# Altium PCB openmv2025-final.PcbDoc (part 2 of 2)
Units mm, origin at the board's own origin, x right, y up, seen from the top; angles counter-clockwise.
Board outline 130 x 110.34 mm, 2 copper layers (Top Layer, Bottom Layer); 110 components, 172 nets, 438 pads, 181 vias.
Unrouted connection lines stored in the file: 1.
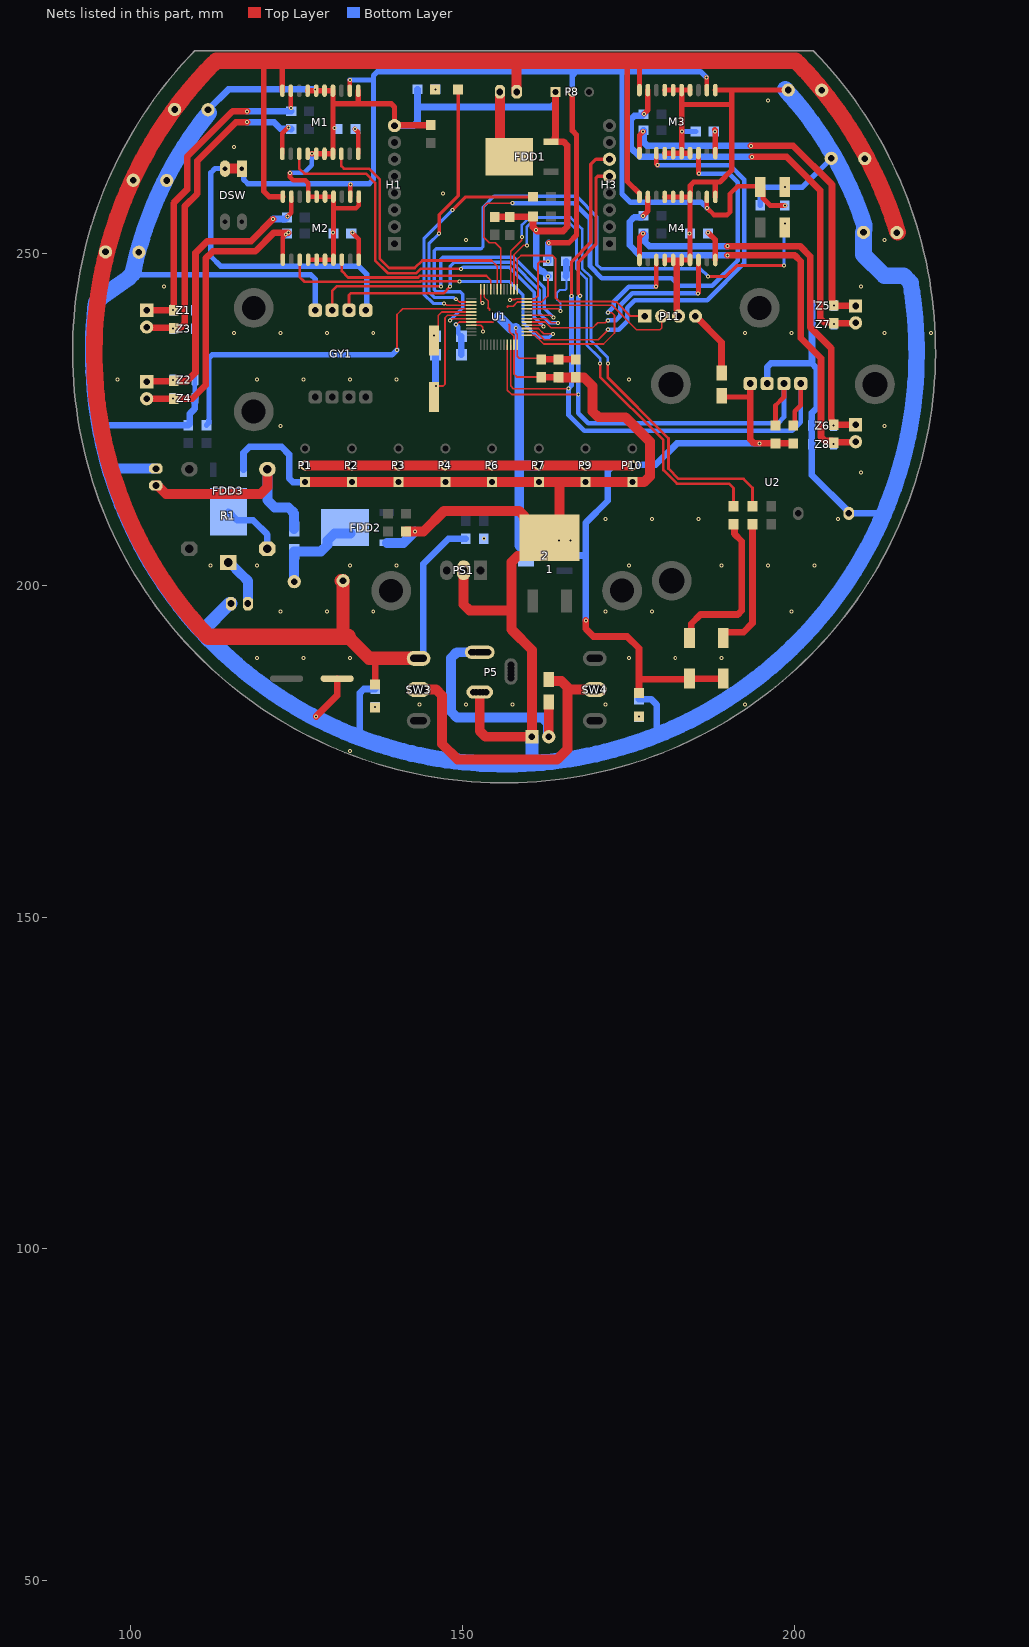
[diagram p2: the nets of this part, all layers, seen from the top]

## Via types
v1: diameter 0.6, hole 0.3, Top Layer to Bottom Layer, tented both sides, 127 vias
v2: diameter 0.6, hole 0.3, Top Layer to Bottom Layer, 54 vias

## Nets (pads, with @x,y where several pads share a name; then routed paths per layer and width w, separated by ;. In a path a pad name is that pad's centre, name@x,y a point inside that pad or via, vN(x,y) a via of type N, cw(c..) or ccw(c..) an arc to the next point about the centre after c; other vN are vias at no path point) (continued)
GND: 1.4 2.1 b1.2 C1.- C2.- C9.1 C10.1 C11.1 C12.2 C14.1 C15.1 C16.1 C21.- C24.- C25.2 C26.2 C27.- C28.- C29.1 C30.1 CAP1.2 FDD1.3 FDD2.3 FDD3.3 GY1.4 H1.8 H2.1 M1.1 M1.4 M1.5 M1.6 M1.7 M1.14 M1.15 M1.16 M1.17 M2.1 M2.4 M2.5 M2.6 M2.7 M2.14 M2.15 M2.16 M2.17 M3.1 M3.4 M3.5 M3.6 M3.7 M3.14 M3.15 M3.16 M3.17 M4.1 M4.4 M4.5 M4.6 M4.7 M4.14 M4.15 M4.16 M4.17 P1.1 P2.1 P3.1 P4.1 P5.2 P6.1 P7.1 P8.1 P9.1 P10.1 P11.3 PS1.2 R1.1@143.176,274.701 R1.1@154.813,255.477 R1.1@157.066,255.455 R1.2@153.155,206.998 R1.2@162.839,246.54 R2.1 R4.1 R7.2 R13.1 R14.1 R15.1 SHOOT1.1 SW2.2 U1.8 U1.23 U1.35 U1.47 U2.1 Z1.1 Z2.1 Z3.1 Z4.1 Z5.1 Z6.1 Z7.1 Z8.1 | length 936.7
  Top Layer w0.25: v1(148.971,239.268) 149.052,239.268 149.445,239.661 U1.8@151.268,239.661 154.547,239.661 154.559,239.649 ; U1.47@153.198,244.591 153.198,243.423 153.82,242.801 153.82,241.785 ; 156.822,242.039 157.584,242.039 158.206,242.661 161.889,242.661 162.818,243.59 ; 157.02,239.22 157.02,238.204 157.698,237.526 157.698,231.811 158.115,231.394
  Top Layer w0.3: 153.82,241.785 154.051,241.554 154.051,241.427 ; 156.718,241.935 156.822,242.039 ; 156.972,239.268 157.02,239.22 ; 158.115,231.394 161.718,231.394 C14.1@161.798,231.314 ; 162.818,243.59 v1(162.818,246.519)
  Top Layer w0.7: v1(123.952,262.128) 123.952,261.493 124.46,260.985 126.284,260.985 126.694,260.575 M2.7@126.694,258.539 M2.6@127.964,258.539 M2.5@129.234,258.539 M2.4@130.504,258.539 130.504,256.794 ; M2.14@126.694,249.039 M2.15@127.964,249.039 M2.16@129.234,249.039 M2.17@130.504,249.039 130.504,256.794 ; M2.1@134.314,258.539 134.314,257.204 133.904,256.794 130.504,256.794
  Top Layer w0.8: M1.7@126.619,274.498 M1.6@127.889,274.498 M1.5@129.159,274.498 M1.4@130.429,274.498 130.429,272.542 ; v1@127.254,264.998 M1.15@127.889,264.998 M1.16@129.159,264.998 M1.17@130.429,264.998 130.429,272.542 ; M1.1@134.239,274.498 134.239,272.542 ; H1.8@139.7,269.24 139.7,272.034 139.192,272.542 134.239,272.542 ; M4.14@180.415,248.996 M4.15@181.685,248.996 M4.16@182.955,248.996 M4.17@184.225,248.996 M4.4@184.225,258.496 ; M4.7@180.415,258.496 M4.6@181.685,258.496 M4.5@182.955,258.496 M4.4@184.225,258.496 ; M3.14@180.415,265.094 M3.15@181.685,265.094 M3.16@182.955,265.094 ; M3.7@180.415,274.594 M3.6@181.685,274.594 M3.5@182.955,274.594 ; v1@182.955,268.403 182.955,272.415 ; v1(183.007,268.351) 182.955,268.299 M3.16@182.955,265.094 ; M3.17@184.225,265.094 M3.16@182.955,265.094 ; M3.4@184.225,274.594 M3.5@182.955,274.594 ; M4.1@188.035,258.496 188.035,260.731 ; M3.1@188.035,274.594 190.5,274.594 ; C28.-@199.032,274.594 190.5,274.594 ; 130.429,272.542 134.239,272.542 ; 182.955,272.415 M3.5@182.955,274.594 ; 182.955,272.415 190.5,272.415 ; M4.4@184.225,258.496 184.275,258.546 184.275,260.221 184.785,260.731 188.035,260.731 ; 188.035,260.731 188.722,260.731 190.5,262.509 190.5,272.415 ; 190.5,272.415 190.5,274.594
  Top Layer w1: v1(127.889,180.213) 131.064,183.388 C12.2@131.064,185.928 ; H1.8@139.7,269.24 139.74,269.28 145.121,269.28 C11.1@145.161,269.32 ; R1.1@154.813,255.477 154.843,255.507 160.545,255.507 R7.2@160.575,255.536 160.575,253.951 161.161,253.365 165.1,253.365 165.735,254 165.735,266.235 165.149,266.821 FDD1.3@163.875,266.821 ; 157.226,198.247 157.353,198.374 ; C14.1@161.798,231.314 C29.1@164.401,231.314 ; FDD1.3@163.275,266.821 FDD1.3@163.875,266.821 ; P8.1@163.957,274.32 163.957,267.503 163.875,267.421 FDD1.3@163.875,266.821 ; P11.3@182.499,240.538 182.308,240.729 182.308,241.436 182.245,241.499 182.245,248.286 M4.16@182.955,248.996
  Top Layer w1.5: P1.1@126.238,215.519 P2.1@133.279,215.519 P3.1@140.321,215.519 P4.1@147.362,215.519 P6.1@154.404,215.519 P7.1@161.445,215.519 164.55,215.519 ; R4.1@141.431,208.085 v1(142.754,208.085) 144.077,208.085 147.193,211.201 158.439,211.201 159.318,210.322 159.318,209.887 162.068,207.137 1.4@163.068,207.137 ; PS1.2@150.114,202.247 150.114,197.094 150.993,196.215 157.353,196.215 ; P5.2@153.543,183.896 P5.2@152.543,183.896 152.543,178.044 153.422,177.165 H2.1@160.401,177.165 160.401,190.246 157.353,193.294 157.353,196.215 ; C29.1@164.401,231.314 C30.1@167.005,231.314 167.03,231.289 168.253,231.289 169.545,229.997 169.545,226.177 170.424,225.298 174.498,225.298 178.181,221.615 178.181,216.398 177.302,215.519 P10.1@175.528,215.519 P9.1@168.487,215.519 164.55,215.519 ; 157.353,196.215 157.353,198.374 157.353,203.508 158.232,204.387 160.318,204.387 1.4@163.068,207.137 ; 1.4@163.068,207.137 164.55,208.619 164.55,215.519
  Bottom Layer w0.7: Z3.1@109.6,238.638 Z1.1@109.6,241.427 ; Z3.1@109.622,238.638 109.622,228.171 Z4.1@109.643,228.149 ; v1(123.952,262.128) 126.111,262.128 127.254,263.271 v1(127.254,265.049) ; v1(148.971,239.268) 149.303,238.936 149.303,237.965 C26.2@149.778,237.49 ; H2.1@160.401,177.165 H2.1@160.586,176.98
  Bottom Layer w0.8: 100.417,247.639 101.295,246.761 127.127,246.761 127.762,246.126 GY1.4@127.762,241.427 ; v1(183.007,268.351) C15.1@185.086,268.351 ; R15.1@194.818,257.255 194.818,259.5 195.287,259.969 v1(198.501,259.969) 201.171,259.969 C21.-@205.509,264.307
  Bottom Layer w1: 95.266,224.135 95.294,224.108 R2.1@108.653,224.108 108.878,224.333 108.878,225.845 109.593,226.56 109.593,228.099 Z4.1@109.643,228.149 ; C27.-@111.61,271.633 114.678,274.701 v1(127.762,274.701) ; FDD3.3@116.961,217.379 116.961,219.958 117.85,220.847 122.688,220.847 123.825,219.71 123.825,216.105 124.411,215.519 P1.1@126.238,215.519 ; 134.677,176.937 134.493,177.121 134.493,183.771 135.079,184.357 R14.1@136.779,184.357 ; H1.8@139.7,269.24 142.621,269.24 143.176,269.795 143.176,272.248 ; R1.1@143.176,274.701 143.176,272.248 ; C25.2@149.778,234.696 C26.2@149.778,237.49 ; v1(161.036,253.492) 161.036,248.057 161.775,247.318 162.01,247.318 162.564,246.765 162.572,246.765 v1(162.818,246.519) ; P8.1@163.957,274.32 163.957,272.62 163.371,272.034 143.39,272.034 143.176,272.248 ; R13.1@176.53,182.833 178.355,182.833 179.185,182.003 179.185,177.383 ; U2.1@195.834,230.378 195.834,232.84 196.42,233.426 202.565,233.426 ; Z5.1@202.609,242.114 Z7.1@202.609,239.325 202.609,233.47 202.565,233.426 ; 213.5,210.941 213.379,210.82 b1.2@208.153,210.82 208.153,211.02 202.566,216.607 Z8.1@202.566,221.239 Z6.1@202.566,224.028 202.566,225.934 203.327,226.695 203.327,232.664 202.565,233.426
  Bottom Layer w1.5: 96.828,217.529 96.85,217.551 CAP1.2@103.759,217.551 ; FDD2.3@138.557,206.387 141.056,206.387 v1(142.754,208.085)
  Bottom Layer w2: 110.783,192.959 110.783,193.174 114.84,197.231 SHOOT1.1@115.062,197.231 ; H2.1@160.401,177.165 160.401,173.436 160.658,173.179
  Bottom Layer w2.5: 99.743,246.406 99.59,246.254 95.699,243.517 ccw(c97.135,241.47) 95.696,243.514 95.52,243.391 95.368,243.238 94.751,242.622 ccw(c156.351,235.088) 94.65,241.738 ccw(c156.351,235.088) 134.677,176.937 ccw(c156.351,235.088) 160.658,173.179 ccw(c156.351,235.088) 179.185,177.383 ccw(c156.351,235.088) 192.057,184.33 ccw(c156.419,234.991) 217.447,245.583 ; 99.743,246.406 100.266,246.93 cw(c155.77,235.517) 100.417,247.639 cw(c155.77,235.517) C27.-@111.743,271.189 ; C28.-@198.544,274.688 cw(c157.99,237.325) 210.463,254.273 210.463,253.875 210.463,253.548 210.379,253.232 C24.-@210.357,253.151 210.357,249.764 213.487,246.634 216.408,246.634 217.17,245.872
  other v1: 164.465,206.756 166.243,206.756 153.155,206.998 184.15,252.984 130.429,253.111 130.683,268.859
  other v2: 133,175 143.5,182 150.5,182 157.5,182 171.5,182 192.5,182 119,189 126,189 133,189 175,189 182,189 189,189 122.5,196 129.5,196 136.5,196 171.5,196 178.5,196 199.5,196 112,203 119,203 133,203 140,203 175,203 189,203 196,203 203,203 171.5,210 178.5,210 185.5,210 206.5,210 210,217 122.5,224 213.5,224 98,231 119,231 126,231 133,231 140,231 175,231 115.5,238 122.5,238 129.5,238 136.5,238 192.5,238 199.5,238 213.5,238 220.5,238 105,245 210,245 150.5,252 213.5,252 147,259 115.5,266 196,273
I2C_SCL: 
I2C_SDA: 
ID: R1.1@165.539,246.54 R1.1@165.561,248.793 U1.33 | length 14.1
  Top Layer w0.25: U1.33@159.628,241.661 164.398,241.661 164.677,241.382 v1(164.677,241.3)
  Bottom Layer w0.3: v1(164.677,241.3) 164.719,241.342 164.719,242.484 164.211,242.992 164.211,244.094 164.592,244.475 165.432,244.475 165.608,244.651 165.608,246.47 R1.1@165.539,246.54
  Bottom Layer w1: R1.1@165.539,246.54 165.55,246.551 165.55,248.782 R1.1@165.561,248.793
INA1: M1.13 U1.28 | length 61.3
  Top Layer w0.25: U1.28@159.628,239.161 161.866,239.161 162.049,238.978 v1(162.143,238.978)
  Top Layer w0.4: M1.13@125.349,264.998 125.349,262.763 126.111,262.001 135.382,262.001 136.779,260.604 136.779,248.92 138.684,247.015 143.002,247.015 143.637,247.65 v1(149.733,247.65)
  Bottom Layer w0.5: v1(149.733,247.65) 149.76,247.65 150.014,247.904 157.027,247.904 160.774,244.157 160.774,240.348 v1(162.143,238.978)
INA2: M2.13 U1.27 | length 51.5
  Top Layer w0.25: U1.27@159.628,238.661 161.389,238.661 162.179,237.871 v1(163.576,237.871)
  Top Layer w0.4: M2.13@125.424,249.039 125.424,246.432 126.141,245.715 143.54,245.715 143.604,245.779 149.445,245.779 v1(149.479,245.745)
  Bottom Layer w0.5: v1(149.479,245.745) 157.064,245.745 159.05,243.759 159.05,239.603 161.29,237.363 163.041,237.363 163.549,237.871 v1(163.576,237.871)
INA3: M3.13 U1.26 | length 67.7
  Top Layer w0.25: U1.26@159.628,238.161 161.065,238.161 162.244,236.982 170.391,236.982 171.683,238.274 171.683,238.275 171.833,238.425 v1(171.833,238.506)
  Top Layer w0.7: M3.13@179.145,265.094 179.145,263.45 v1(179.324,263.271)
  Bottom Layer w0.7: v1(171.833,238.506) 173.482,238.506 174.752,239.776 174.752,241.808 175.895,242.951 186.814,242.951 192.405,248.542 192.405,261.112 190.246,263.271 v1(179.324,263.271)
INA4: M4.13 U1.25 | length 31.7
  Top Layer w0.25: U1.25@159.628,237.661 160.858,237.661 162.172,236.347 171.196,236.347 172.847,237.998 172.847,240.665 172.466,241.046 v1(171.831,241.046)
  Top Layer w0.3: M4.13@179.145,248.996 M4.13@179.171,248.97
  Top Layer w0.7: v1(179.07,244.983) 179.145,245.058 M4.13@179.145,248.97
  Bottom Layer w0.7: v1(171.831,241.046) 172.72,241.935 172.72,242.697 175.006,244.983 v1(179.07,244.983)
INA_1: 
INA_2: 
INA_3: 
INA_4: 
INB1: 
INB2: 
INB3: 
INB4: 
INB_1: 
INB_2: 
INB_3: 
INB_4: 
Inductor: D5.1 FDD2.4 L1.1 | length 14.6
  Bottom Layer w1.5: L1.1@124.587,200.533 D5.1@124.587,205.056 128.602,205.056 129.611,206.065 129.611,206.738 130.645,207.772 FDD2.4@133.096,207.772
LED1: D1.2@136.779,181.539 R14.2
  other v1: 136.779,181.657
LED2: D3.2 R13.2
  other v1: 176.53,180.241
LED3: D1.1@149.287,274.706 U1.2 | length 39.3
  Top Layer w0.25: v1(148.971,243.078) 149.052,243.078 149.469,242.661 U1.2@151.268,242.661
  Top Layer w0.5: v1(146.431,252.984) 146.431,255.835 149.287,258.691 D1.1@149.287,274.706
  Bottom Layer w0.5: v1(146.431,252.984) 144.895,251.448 144.895,244.203 145.766,243.332 148.645,243.332 148.899,243.078 v1(148.971,243.078)
LED3_RES: D1.2@145.787,274.706 R1.2@145.876,274.701
  other v1: 145.876,274.701
LED4: 
LED5: 
M1: FDD1.4 MOTOR1.2 | length 10.4
  Top Layer w1.5: MOTOR1.2@155.575,274.32 155.575,265.941 FDD1.4@156.975,264.541
MA1: 
MA2: 
MA3: 
MA4: 
MB1: 
MB2: 
MB3: 
MB4: 
"MODE MA +": 
"MODE MA -": 
MOTOR: 
MOTORS_EN: 
NetD5_1: D4.1 P11.4 | length 10.2
  Top Layer w1: P11.4@185.039,240.538 188.976,236.601 D4.1@188.976,231.951
NRST: R16.2 SW2.1 U1.7 | length 94.4
  Top Layer w0.25: v1(148.082,239.903) 148.163,239.903 148.421,240.161 U1.7@151.268,240.161
  Top Layer w0.5: v1(186.944,246.507) 189.611,246.507 191.262,248.158 v1(198.374,248.158)
  Bottom Layer w0.5: v1(148.082,239.903) 149.987,241.808 149.987,243.84 149.606,244.221 145.962,244.221 145.669,244.514 145.669,250.405 145.962,250.698 152.742,250.698 153.035,250.991 153.035,256.921 154.686,258.572 167.132,258.572 170.18,255.524 170.18,248.285 170.815,247.65 185.801,247.65 v1(186.944,246.507) ; v1(198.374,248.158) 198.374,254.371 v1(198.501,254.498)
OSC_IN: C26.1 U1.5 Y1.2 | length 9.2
  Top Layer w0.25: Y1.2@145.669,236.855 146.269,237.455 146.269,240.63 146.8,241.161 U1.5@151.268,241.161
  other v1: 145.669,237.617
OSC_OUT: C25.1 U1.6 Y1.1 | length 21.9
  Top Layer w0.25: Y1.1@145.669,228.355 145.669,229.397 146.269,229.997 147.066,229.997 147.32,230.251 147.32,240.284 147.697,240.661 U1.6@151.268,240.661
  Bottom Layer w1: C25.1@145.878,234.696 145.878,230.042 v1(145.923,229.997)
OUT_1A: C4.1 C7.2 M1.11 P15.2 Z3.2 | length 52.7
  Top Layer w0.7: M1.11@122.809,264.998 122.809,268.097 v1(123.698,268.986)
  Top Layer w1: P15.2@102.362,238.887 102.442,238.807 106.346,238.807 C4.1@106.426,238.727 106.459,238.76 107.442,238.76 108.077,239.395 108.077,257.048 109.982,258.953 109.982,263.906 115.824,269.748 v1(117.475,269.748)
  Bottom Layer w1: v1(117.475,269.748) 121.539,269.748 122.53,268.757 124.101,268.757 C7.2@124.126,268.732
  other v1: 106.3,238.638
OUT_1B: C4.2 C5.2 M1.9 P15.1 Z1.2 | length 49.1
  Top Layer w0.7: v1(124.079,271.907) M1.9@124.079,274.498
  Top Layer w1: P15.1@102.362,241.427 C4.2@106.426,241.427 106.426,257.556 108.458,259.588 108.458,264.541 115.316,271.399 v1(117.475,271.399)
  Bottom Layer w1: v1(117.475,271.399) C5.2@124.126,271.399
  other v1: 106.3,241.427
OUT_2A: C3.1 C8.2 M2.11 P14.2 Z4.2 | length 47.5
  Top Layer w0.7: M2.11@122.884,249.039 122.884,252.424 v1(123.317,252.857)
  Top Layer w1: P14.2@102.362,228.092 C3.1@106.4,228.092 ; v1(106.343,228.149) C3.1@106.4,228.092 ; v1(123.698,253.111) 121.539,253.111 118.745,250.317 112.346,250.317 111.252,249.223 111.252,230.124 109.22,228.092 C3.1@106.426,228.092 C3.1@106.4,228.092
  Bottom Layer w1: v1(123.317,252.857) 123.393,252.857 123.647,253.111 v1(123.698,253.111)
OUT_2B: C3.2 C6.2 M2.9 P14.1 Z2.2 | length 45.4
  Top Layer w0.7: v1(123.571,255.524) 124.154,256.107 M2.9@124.154,258.539
  Top Layer w1: P14.1@102.362,230.632 102.442,230.712 106.346,230.712 C3.2@106.426,230.792 ; v1(106.343,230.938) 106.522,230.759 108.458,230.759 109.728,232.029 109.728,250.063 111.506,251.841 118.11,251.841 v1(121.412,255.143)
  Bottom Layer w1: v1(121.412,255.143) 121.441,255.172 123.266,255.172 C6.2@123.491,255.397
OUT_3A: C17.2 C22.1 M3.11 P13.1 Z5.2 | length 58
  Top Layer w0.8: M3.11@176.605,265.094 176.605,267.791 v1(177.165,268.351)
  Top Layer w1: v1(193.421,266.192) 199.771,266.192 205.613,260.35 205.613,243.003 205.642,242.974 205.642,242.367 205.907,242.102 209.129,242.102 P13.1@209.169,242.062
  Bottom Layer w1: C17.2@177.212,268.531 177.212,266.778 177.798,266.192 v1(193.421,266.192)
  other v1: 205.909,242.114
OUT_3B: C20.2 C22.2 M3.9 P13.2 Z7.2 | length 66.6
  Top Layer w0.8: v1(177.292,271.018) 177.875,271.601 M3.9@177.875,274.594
  Top Layer w1: v1(193.548,264.541) 198.755,264.541 203.835,259.461 203.835,240.203 204.421,239.617 205.692,239.617 C22.2@205.867,239.442 205.907,239.482 209.129,239.482 P13.2@209.169,239.522
  Bottom Layer w1: v1(177.292,271.018) 176.993,270.719 175.846,270.719 175.26,270.133 175.26,265.938 176.657,264.541 v1(193.548,264.541)
  other v1: 205.909,239.325
OUT_4A: C18.2 C23.1 M4.11 P12.1 Z6.2 | length 61.8
  Top Layer w0.8: M4.11@176.605,248.996 176.605,252.424 v1(177.165,252.984)
  Top Layer w1: v1(189.865,251.079) 200.787,251.079 202.311,249.555 202.311,238.887 205.486,235.712 205.486,225.016 205.642,224.86 205.642,224.252 v1(205.866,224.028) ; C23.1@205.867,224.155 P12.1@209.169,224.155
  Bottom Layer w1: v1(189.865,251.079) 178.073,251.079 177.487,251.665 177.487,252.759 C18.2@177.262,252.984 ; C18.2@177.262,252.984 v1(177.165,252.984) C18.2@177.262,252.984
OUT_4B: C19.2 C23.2 M4.9 P12.2 Z8.2 | length 69.3
  Top Layer w0.8: v1(177.165,255.651) 177.875,256.361 M4.9@177.875,258.496
  Top Layer w1: v1(189.865,249.682) 200.025,249.682 200.914,248.793 200.914,237.236 203.962,234.188 203.962,222.316 204.548,221.73 205.642,221.73 205.642,221.68 C23.2@205.867,221.455 205.947,221.535 209.089,221.535 P12.2@209.169,221.615
  Bottom Layer w1: v1(177.165,255.651) 176.94,255.426 175.797,255.426 175.133,254.762 175.133,251.206 176.657,249.682 v1(189.865,249.682)
  other v1: 205.866,221.239
PWM1: M1.18 U1.43 | length 43
  Top Layer w0.25: 154.305,248.92 155.198,248.027 U1.43@155.198,244.591
  Top Layer w0.4: M1.18@131.699,264.998 131.699,263.144 132.08,262.763 135.839,262.763 137.495,261.107 137.495,249.163 138.881,247.777 142.748,247.777 143.891,248.92 154.305,248.92
PWM2: M2.18 U1.45 | length 26.3
  Top Layer w0.25: 153.511,246.634 154.198,245.947 U1.45@154.198,244.591
  Top Layer w0.4: M2.18@131.774,249.039 131.774,247.321 132.73,246.365 143.271,246.365 143.54,246.634 153.511,246.634
PWM3: M3.18 U1.42 | length 84.7
  Top Layer w0.25: U1.42@155.698,244.591 155.698,250.779 154.889,251.589 153.971,251.589 153.162,252.398 153.162,257.048 153.67,257.556 v1(157.48,257.556)
  Top Layer w0.7: M3.18@185.495,265.094 185.495,262.053 v1(185.547,262.001)
  Bottom Layer w0.7: v1(157.48,257.556) 166.751,257.556 169.164,255.143 169.164,248.031 170.942,246.253 181.483,246.253 182.626,245.11 187.579,245.11 191.389,248.92 191.389,260.731 190.119,262.001 v1(185.547,262.001)
PWM4: M4.18 U1.29 | length 34.3
  Top Layer w0.25: U1.29@159.628,239.661 162.421,239.661 163.322,238.76 169.545,238.76 170.307,239.522 171.45,239.522 v1(171.831,239.903)
  Top Layer w0.7: v1(185.42,243.967) 185.495,244.042 M4.18@185.495,248.996
  Bottom Layer w0.7: v1(171.831,239.903) 173.072,239.903 173.736,240.567 173.736,242.189 175.514,243.967 v1(185.42,243.967)
PWM_1: 
PWM_2: 
PWM_3: 
PWM_4: 
RELAY: FDD3.4 R1.5 | length 9.5
  Bottom Layer w1: FDD3.4@114.681,211.079 115.987,209.773 118.395,209.773 120.556,207.612 R1.5@120.556,205.464
RELAY_CTRL: 
RES1: 
RES2: 
RES3: 
RES4: 
RES5: 
RX: GY1.3 U1.31 | length 50.5
  Top Layer w0.25: U1.31@159.628,240.661 163.245,240.661 163.58,240.326 v1(163.661,240.326)
  Top Layer w0.4: GY1.3@130.302,241.427 130.302,244.348 130.979,245.025 v1(146.685,245.025)
  Bottom Layer w0.5: v1(146.685,245.025) 146.685,249.111 146.978,249.404 157.648,249.404 162.274,244.778 162.274,241.713 v1(163.661,240.326)
RX2: 
S3: 
S4: 
S5: 
S6: 
S7: 
S8: 
S9: 
S10: 
S11: 
S12: 
S13: 
S14: 
S15: 
SCL: H3.5 R12.1 U1.21 U2.3 | length 100.6
  Top Layer w0.25: U1.21@156.698,236.231 156.698,229.382 157.353,228.727 v1(167.386,228.727)
  Top Layer w0.5: v1(167.64,243.586) 167.64,243.658 167.386,243.912 167.386,248.666 170.053,251.333 170.053,261.327 170.346,261.62 H3.5@172.085,261.62
  Top Layer w0.7: R12.1@197.102,224.061 197.102,227.074 198.374,228.346 U2.3@198.374,230.378
  Bottom Layer w0.7: v1(167.64,243.586) 167.386,243.332 v1(167.386,228.727) 167.386,225.933 168.91,224.409 197.485,224.409 198.374,225.298 U2.3@198.374,230.378
SDA: H3.6 R11.1 U1.22 U2.4 | length 106.5
  Top Layer w0.25: U1.22@157.198,236.231 157.198,230.025 157.607,229.616 v1(165.924,229.616)
  Top Layer w0.5: v1(166.37,243.586) 166.37,248.711 169.291,251.632 169.291,263.398 170.053,264.16 H3.6@172.085,264.16
  Top Layer w0.7: R11.1@199.771,224.061 200.025,224.315 200.025,226.187 200.914,227.076 U2.4@200.914,230.378
  Bottom Layer w0.7: v1(166.37,243.586) 166.37,230.062 v1(165.924,229.616) 165.924,225.617 168.275,223.266 199.644,223.266 200.914,224.536 U2.4@200.914,230.378
SHIFT5: 
shoot: R3.1 U1.4 | length 56
  Top Layer w0.25: v1(140.081,235.458) 140.081,240.792 140.95,241.661 U1.4@151.268,241.661
  Bottom Layer w0.8: R3.1@111.379,224.108 111.704,224.433 111.704,224.896 111.76,224.952 111.76,234.227 112.229,234.696 139.319,234.696 v1(140.081,235.458)
spin: R6.2 U1.3 | length 35.2
  Top Layer w0.25: v1(147.193,242.443) 147.274,242.443 147.556,242.161 U1.3@151.268,242.161
  Top Layer w0.5: v1(148.463,256.54) 150.419,258.496 R6.2@160.575,258.496
  Bottom Layer w0.5: v1(147.193,242.443) 145.542,242.443 144.145,243.84 144.145,252.222 v1(148.463,256.54)
SW1: R18.1 U1.38 | length 74.6
  Top Layer w0.25: U1.38@157.698,244.591 157.698,249.773 159.131,251.206 v1(159.639,251.206)
  Top Layer w0.4: v1(170.688,233.426) 170.688,231.394 180.213,221.869 180.213,217.337 182.265,215.286 190.098,215.286 190.768,214.616 R18.1@190.768,211.894
  Bottom Layer w0.4: v1(159.639,251.206) 159.639,254 160.147,254.508 166.116,254.508 167.132,253.492 167.132,247.65 168.656,246.126 168.656,236.22 170.688,234.188 v1(170.688,233.426)
SW2: R19.1 U1.39 | length 78.8
  Top Layer w0.25: U1.39@157.198,244.591 157.198,250.289 158.877,251.968 v1(158.877,252.476)
  Top Layer w0.4: v1(171.831,233.426) 171.831,231.267 180.975,222.123 180.975,217.551 182.499,216.027 192.278,216.027 193.642,214.663 R19.1@193.642,211.894
  Bottom Layer w0.4: v1(158.877,252.476) 158.877,254.254 160.02,255.397 166.243,255.397 167.983,253.657 167.983,247.718 169.306,246.395 169.306,236.84 171.831,234.315 v1(171.831,233.426)
SW3: 
SW4: 
SW5: 
SWCLK: P11.1 U1.37 | length 31.2
  Top Layer w0.25: U1.37@158.198,244.591 158.198,249.13 158.75,249.682
  Top Layer w0.3: 158.75,249.682 163.449,249.682 163.957,249.174 163.957,243.332 164.574,242.715 172.723,242.715 172.741,242.697 173.101,242.697 175.26,240.538 P11.1@177.419,240.538
SWDIO: P11.2 U1.34 | length 23.7
  Top Layer w0.25: U1.34@159.628,242.161 160.527,242.161 172.494,242.161 176.149,238.506 179.705,238.506 179.959,238.76 P11.2@179.959,240.538
SWR1: 
SWR2: R19.2 SW6.1 | length 20.6
  Top Layer w1: SW6.1@189.23,192.024 189.23,192.617 189.53,192.917 192.282,192.917 193.642,194.277 R19.2@193.642,209.194
SWR3: R18.2 SW5.1 | length 24.3
  Top Layer w1: SW5.1@184.15,192.024 184.408,192.282 184.408,194.187 185.801,195.58 191.438,195.58 192.024,196.166 192.024,206.629 190.925,207.728 190.925,209.038 R18.2@190.768,209.194
SWR4: 
SWR5: 
TX: GY1.2 U1.30 | length 48.4
  Top Layer w0.25: U1.30@159.628,240.161 162.683,240.161 163.322,239.522 v1(164.338,239.522)
  Top Layer w0.4: GY1.2@132.842,241.427 132.842,243.713 133.096,243.967 147.066,243.967 148.082,244.983 v1(148.082,245.025)
  Bottom Layer w0.5: v1(148.082,245.025) 148.082,248.031 148.705,248.654 157.337,248.654 161.524,244.467 161.524,240.988 162.99,239.522 v1(164.338,239.522)
TX2: 
UART1_RX: 
UART1_TX: 
UART2_RX: 
UART2_TX: 
VBat: D2.1 H2.2 P5.1 | length 35.4
  Top Layer w1.5: H2.2@162.941,177.165 D2.1@162.941,182.401
  Bottom Layer w1.5: P5.1@152.543,189.896 P5.1@152.143,189.896 P5.1@151.743,189.896 149.088,189.896 148.209,189.017 148.209,180.965 149.088,180.086 161.967,180.086 162.845,179.207 162.845,177.261 H2.2@162.941,177.165
VBOOST: CAP1.1 D5.2 R1.3 | length 32.3
  Top Layer w1.5: CAP1.1@103.759,215.011 104.013,215.011 105.283,213.741 119.507,213.741 120.556,214.79 R1.3@120.556,217.464
  Bottom Layer w1.5: R1.3@120.556,217.464 120.556,212.809 121.656,211.709 123.708,211.709 124.587,210.83 D5.2@124.587,208.456
VCC: 2.2 2.4 C14.2 C29.2 C30.2 D3.1 D4.2 DSW.1 DSW.2 GY1.1 M1.2 M2.2 M3.2 M4.2 P1.2 P2.2 P3.2 P4.2 P6.2 P7.2 P8.2 P9.2 P10.2 R1.2@162.861,248.793 R11.2 R12.2 R16.1 SW1.2 SW5.2 SW6.2 U1.9 U1.24 U1.36 U1.48 U2.2 | length 457.7
  Top Layer w0.25: U1.9@151.268,239.161 152.68,239.161 152.992,238.849 152.992,238.241 v1(153.049,238.184) ; U1.48@152.698,244.591 152.698,242.797 v1@152.927,242.567 ; v1@157.156,243.046 157.884,243.046 157.999,243.161 U1.36@159.628,243.161 160.865,243.161 161.29,243.586 ; v1@157.976,238.754 157.976,238.01 158.198,237.788 U1.24@158.198,236.231 158.198,234.486 158.496,234.188 C14.2@161.624,234.188
  Top Layer w0.3: v1(152.927,242.486) v1@152.927,242.567 ; v1(157.099,242.989) v1@157.156,243.046 ; v1(157.97,238.76) v1@157.976,238.754 ; 161.29,243.586 161.29,248.412 161.671,248.793 v1(162.861,248.793) ; C14.2@161.624,234.188 C14.2@161.798,234.014
  Top Layer w0.7: M1.2@132.969,274.498 v1(132.969,276.098) ; M2.2@133.044,258.539 133.044,260.298 v1(133.096,260.35) ; v1(186.69,276.479) 186.765,276.404 M3.2@186.765,274.594 ; M4.2@186.765,258.496 186.765,256.846 v1(186.817,256.794) 187.833,255.778 189.836,255.778 190.246,256.188 190.246,258.953 191.389,260.096 194.691,260.096 SW1.2@194.818,259.969
  Top Layer w0.8: v1(162.941,251.587) 165.989,251.587 167.132,252.73 167.132,267.843 166.497,268.478 P8.2@166.497,274.32 ; D4.2@188.976,228.551 189.181,228.346 193.294,228.346 ; SW1.2@194.818,259.969 195.218,259.569 195.218,258.299 196.319,257.198 v1(198.501,257.198)
  Top Layer w1: C14.2@161.798,234.014 C29.2@164.401,234.014 C30.2@167.005,234.014 ; v1(168.529,194.691) 168.529,193.421 169.672,192.278 174.752,192.278 176.53,190.5 176.53,185.801 ; D3.1@176.53,183.741 176.53,185.801 ; SW6.2@189.23,185.928 SW5.2@184.15,185.928 184.023,185.801 176.53,185.801 ; U2.2@193.294,230.378 193.294,228.346 193.294,221.947 193.88,221.361 R12.2@197.102,221.361 R11.2@199.771,221.361
  Top Layer w1.5: DSW.2@114.173,262.763 DSW.1@116.713,262.763 ; P1.2@126.238,218.059 P2.2@133.279,218.059 P3.2@140.321,218.059 P4.2@147.362,218.059 P6.2@154.404,218.059 P7.2@161.445,218.059 P9.2@168.487,218.059 P10.2@175.528,218.059
  Bottom Layer w0.8: v1(132.969,276.098) 136.525,276.098 ; GY1.1@135.382,241.427 135.509,241.554 135.509,246.888 134.366,248.031 113.538,248.031 112.014,249.555 112.014,262.128 112.649,262.763 DSW.2@114.173,262.763 DSW.1@116.713,262.763 116.967,262.509 116.967,261.112 117.602,260.477 135.89,260.477 136.525,261.112 136.525,276.098 ; P8.2@166.497,274.32 166.497,276.733 167.132,277.368 ; v1(186.69,276.479) 185.801,277.368 173.99,277.368 ; v1(186.817,256.794) 185.928,257.683 175.26,257.683 173.99,258.953 173.99,277.368 ; 136.525,276.098 136.525,276.782 137.111,277.368 167.132,277.368 ; 167.132,277.368 173.99,277.368
  Bottom Layer w1: 2.4@159.533,204.47 2.2@165.333,204.47 168.178,204.47 168.529,204.119 ; v1(162.861,248.793) 162.861,251.507 v1(162.941,251.587) ; v1(168.529,194.691) 168.529,204.119 ; v1(194.691,221.361) 182.245,221.361 179.039,218.155 172.816,218.155 171.831,217.17 171.831,212.725 168.529,209.423 168.529,204.119
  Bottom Layer w1.5: 155.4,240.49 157.184,238.705 v1@157.916,238.705 ; v1(157.97,238.76) v1@157.915,238.705 ; 158.877,218.059 P7.2@161.445,218.059 ; 2.4@159.533,204.47 159.533,204.92 158.496,205.957 158.496,238.125 v1@157.916,238.705
VIN: D2.2 SW3.2 SW4.2 | length 48.6
  Top Layer w1.5: SW3.2@142.621,184.278 SW3.2@143.021,184.278 SW3.2@143.621,184.278 145.992,184.278 146.87,183.399 146.87,176.091 149.225,173.736 164.211,173.736 165.735,175.26 165.735,184.278 ; D2.2@162.941,185.801 162.941,185.616 162.991,185.566 164.838,185.566 165.735,184.668 165.735,184.278 ; SW4.2@169.164,184.278 165.735,184.278
VP: 
VREF1: C9.2 M1.20 | length 3.9
  Top Layer w0.7: v1(133.731,268.732) 134.239,268.224 M1.20@134.239,264.998
VREF2: C10.2 M2.20 | length 4.5
  Top Layer w0.7: v1(133.35,253.111) 134.314,252.147 M2.20@134.314,249.039
VREF3: C15.2 M3.20 | length 3.5
  Top Layer w0.8: v1@187.96,268.605 188.035,268.53 M3.20@188.035,265.094
  other v1: 187.96,268.351
VREF4: C16.2 M4.20 | length 4.6
  Top Layer w0.8: v1(186.944,253.111) 188.035,252.02 M4.20@188.035,248.996
VSHOOT: R1.1@114.681,203.414 SHOOT1.2 | length 7.5
  Bottom Layer w1.5: R1.1@114.681,203.414 114.831,203.414 116.696,201.549 116.723,201.549 117.602,200.67 SHOOT1.2@117.602,197.231
VSS: C1.+ C2.+ C21.+ C24.+ C27.+ C28.+ D1.1@136.779,185.039 L1.2 M1.10 M2.10 M3.10 M4.10 MOTOR1.1 R1.2@150.429,206.998 SW3.3 | length 339.6
  Top Layer w0.8: 120.015,279.019 120.015,259.334 120.81,258.539 M2.10@122.884,258.539 ; M1.10@122.809,274.498 122.809,279.019 ; 174.752,279.019 174.752,260.849 176.605,258.996 M4.10@176.605,258.496 ; M3.10@176.605,274.594 176.605,278.967 176.657,279.019
  Top Layer w1: D1.1@136.779,185.039 136.779,188.978
  Top Layer w1.5: MOTOR1.1@158.115,274.32 158.115,279.019
  Top Layer w2: L1.2@131.699,200.66 L1.2@131.953,200.66 131.953,192.913 132.651,192.215 135.888,188.978 136.779,188.978 SW3.3@142.621,188.978 SW3.3@143.021,188.978
  Top Layer w2.5: 132.651,192.215 111.621,192.215 cw(c156.419,234.991) 112.305,278.473 112.852,279.019 120.015,279.019 122.809,279.019 158.115,279.019 174.752,279.019 176.657,279.019 200.134,279.019 200.713,278.44 cw(c155.42,235.003) C24.+@215.496,253.142
  Bottom Layer w1: SW3.3@144.021,188.978 144.021,203.203 147.816,206.998 R1.2@150.429,206.998
pads on no net: GY1.5 GY1.6 GY1.7 GY1.8 H1.1 H1.2 H1.3 H1.4 H1.5 H1.6 H3.1 H3.2 H3.3 H3.4 H3.7 H3.8 M1.3 M1.8 M2.3 M2.8 M3.3 M3.8 M4.3 M4.8 P5.3 R1.2@108.806,217.464 SW3.1 SW4.1 U1.1 U1.20 U2.139 U2.140 U2.141 Z1.0 Z2.0 Z3.0 Z4.0 Z5.0 Z6.0 Z7.0 Z8.0
copper on no net: | length 51.7
  Bottom Layer w0.254: 170.307,47.752 170.307,48.26 ; 171.831,47.498 170.307,48.006 ; 171.831,48.514 170.307,48.006 ; 192.446,48.006 170.307,48.006 ; 208.239,48.006 230.378,48.006 ; 228.854,47.498 230.378,48.006 ; 228.854,48.514 230.378,48.006 ; 230.378,47.752 230.378,48.26

## Polygon pours and split planes (outlines as drawn)
GND on Bottom Layer "GND_L02_P001" (solid, pour order 1): 109.618,280.527 ccw(c156.21,235.204) 202.804,280.525 202.819,280.543
GND on Top Layer "GND_L01_P000" (solid, pour order 0): 109.618,280.527 ccw(c156.21,235.204) 202.804,280.525 202.819,280.543

## Other copper
Top Layer:
  rectangle net GND: 153.67,238.689 157.17,242.189
Bottom Layer:
  rectangle net VCC: 152.742,237.832 158.242,243.332
  text "FDMX" at 163.296,265.795 h5
  text "OPENMV SHIELD 2205" at 164.275,263.42 h1.6
  text "60.071 (mm)" at 192.7,47.092 h1.52

## Silkscreen, mask and mechanical layers (free items; w line width, h text height)
Mechanical 1:
  lines w0.3: 109.601,280.543 202.819,280.543 ; 109.618,280.527 ccw(c156.21,235.204) 202.804,280.525

## Text inside footprints (layer, text, board x,y; h text height)
C1: Top Overlay "-" at 101.926,249.437 h0.8
C2: Top Overlay "-" at 106.117,260.232 h0.8
C12: Top Overlay "+" at 124.654,184.828 h0.8 r180
C21: Top Overlay "-" at 204.779,265.04 h0.8 r180
C24: Top Overlay "-" at 209.628,253.885 h0.8 r180
C27: Top Overlay "-" at 112.34,270.9 h0.8
C28: Top Overlay "-" at 198.302,275.327 h0.8 r180
DSW: Top Overlay "ON" at 116.273,257.403 h1 r180
R1: Top Overlay "COM" at 112.7,205.257 h1.5; Top Overlay "NO" at 117.932,213.995 h1.5; Top Overlay "NC" at 109.093,214.173 h1.5